# KiCad board ADHW.kicad_pcb (continued)
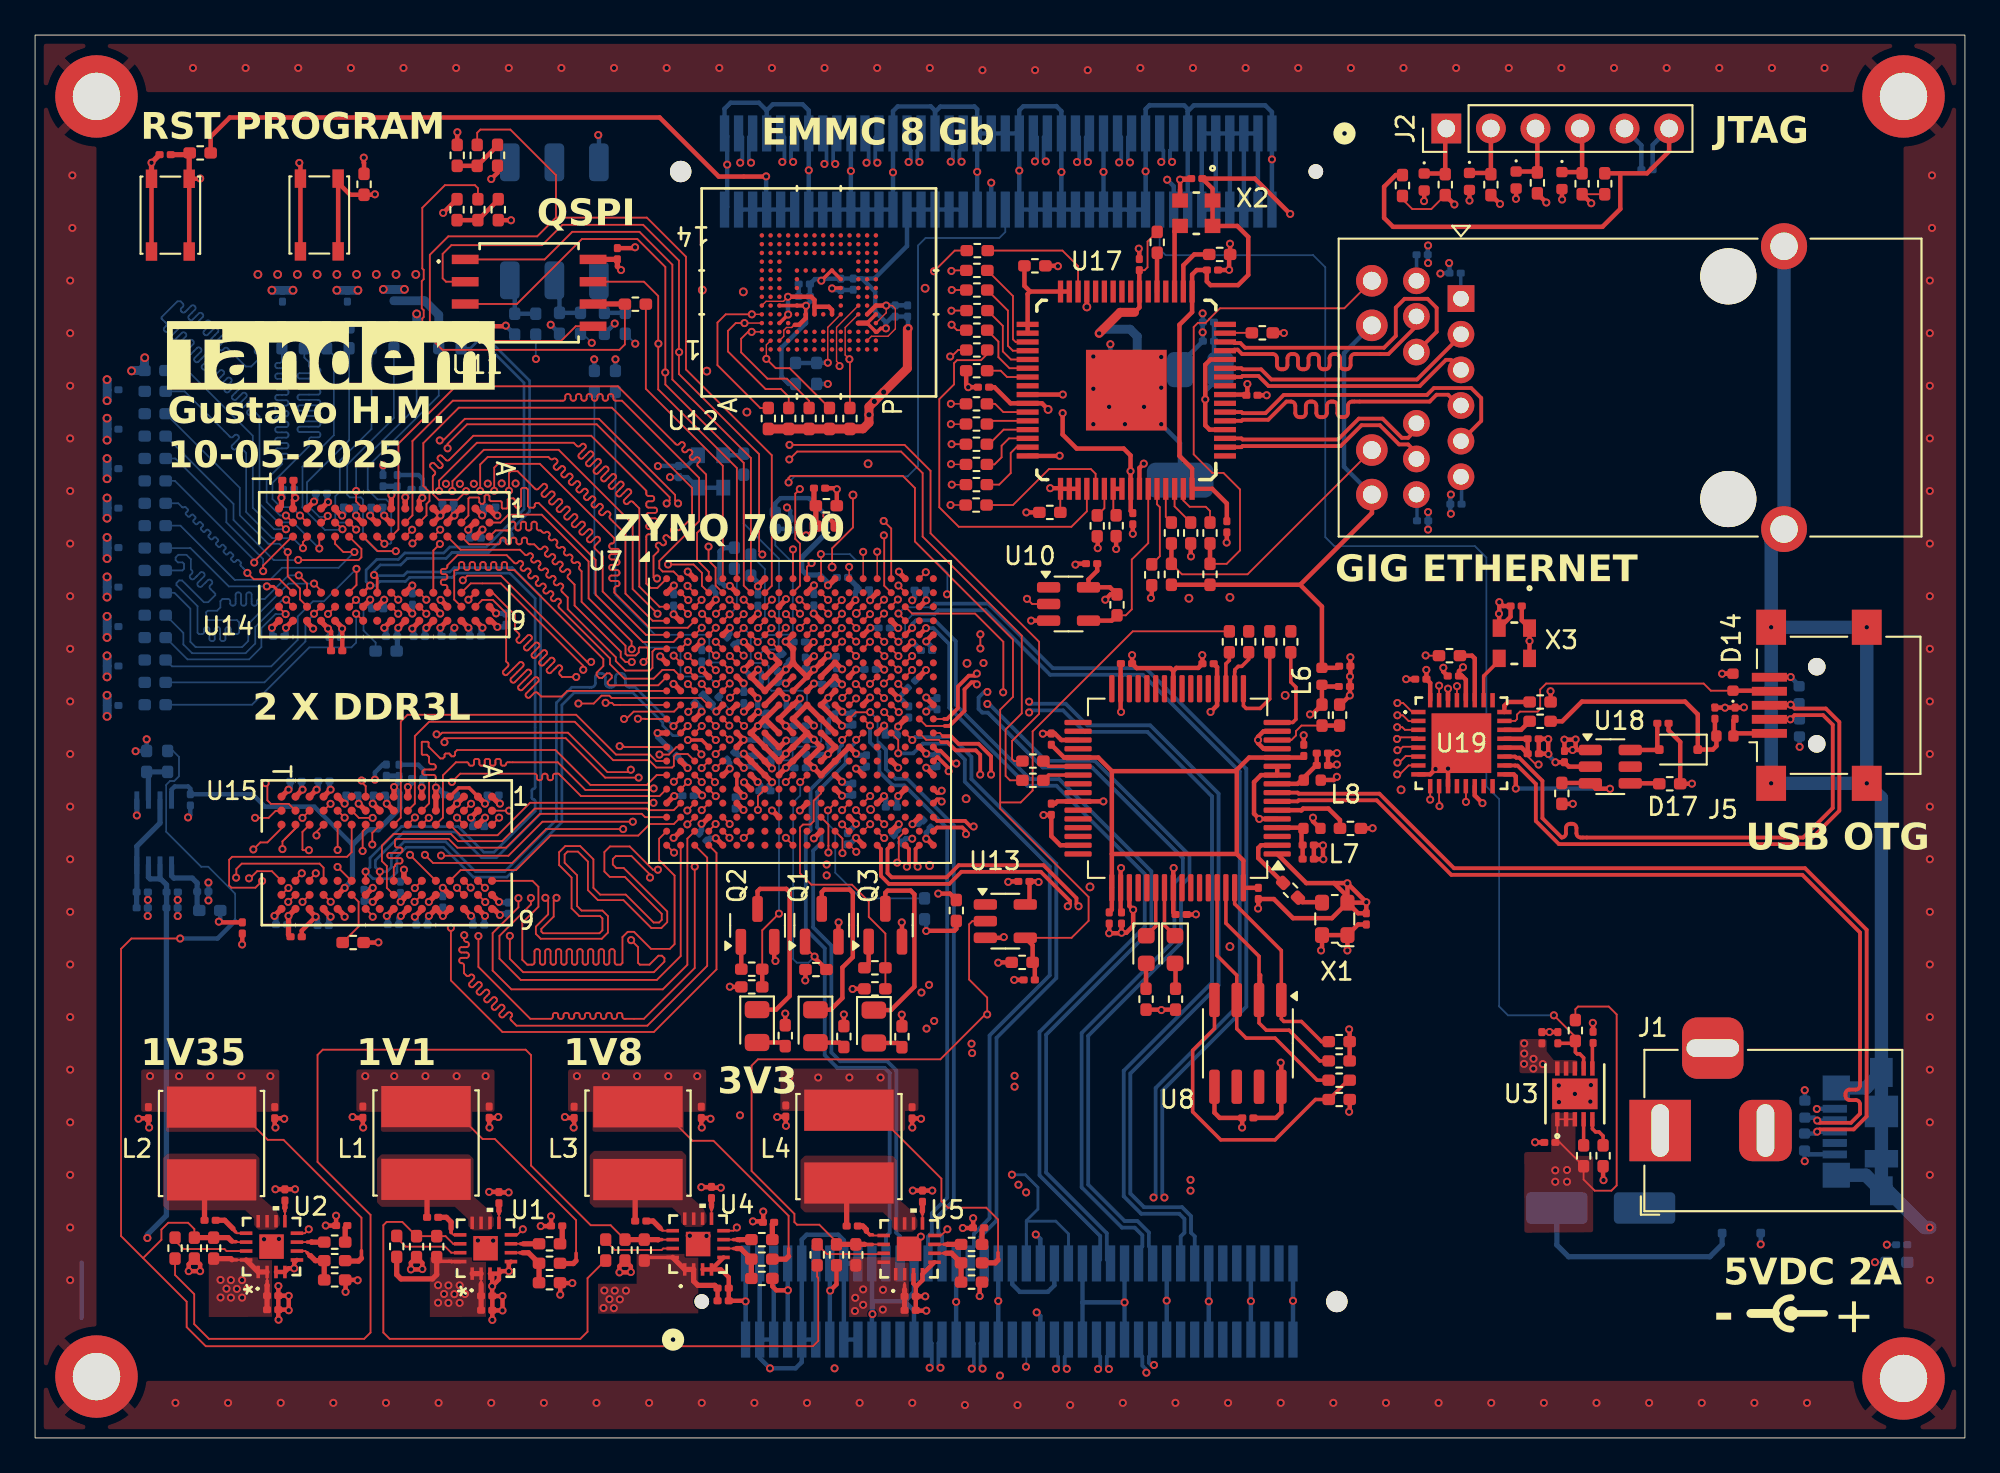
[diagram p0: board, top side]
## Placement (name value [footprint] x y rotation side) (continued)
R78  20k  [R_0402_1005Metric_Pad0.72x0.64mm_HandSolder]  40.8 49.77 270 bottom
R79  68k  [R_0402_1005Metric_Pad0.72x0.64mm_HandSolder]  42.96 58.13 270 top
R80  510  [R_0402_1005Metric_Pad0.72x0.64mm_HandSolder]  42.76 22.94 270 top
R81  68k  [R_0402_1005Metric_Pad0.72x0.64mm_HandSolder]  41.8 58.13 270 top
R82  68k  [R_0402_1005Metric_Pad0.72x0.64mm_HandSolder]  45.28 58.13 270 top
R83  12k  [R_0402_1005Metric_Pad0.72x0.64mm_HandSolder]  9.41 73.28 0 top
R84  12k  [R_0402_1005Metric_Pad0.72x0.64mm_HandSolder]  46.44 58.13 270 top
R85  12k  [R_0402_1005Metric_Pad0.72x0.64mm_HandSolder]  61.67 47.51 90 top
R86  22  [R_0402_1005Metric_Pad0.72x0.64mm_HandSolder]  34.22 64.65 180 top
R87  22  [R_0402_1005Metric_Pad0.72x0.64mm_HandSolder]  44.55 60.7 90 bottom
R88  22  [R_0402_1005Metric_Pad0.72x0.64mm_HandSolder]  40.39 55.53 90 bottom
R89  12k  [R_0402_1005Metric_Pad0.72x0.64mm_HandSolder]  43.34 60.7 90 bottom
R90  4.7k  [R_0402_1005Metric_Pad0.72x0.64mm_HandSolder]  56.26 27.12 180 top
R91  1k  [R_0402_1005Metric_Pad0.72x0.64mm_HandSolder]  50.7 30.17 270 bottom
R92  100k  [R_0402_1005Metric_Pad0.72x0.64mm_HandSolder]  47.87 25.61 180 top
R93  12k  [R_0402_1005Metric_Pad0.72x0.64mm_HandSolder]  47.87 26.81 180 top
R94  510  [R_0402_1005Metric_Pad0.72x0.64mm_HandSolder]  49.41 22.88 270 top
R95  4.7k  [R_0402_1005Metric_Pad0.72x0.64mm_HandSolder]  6.83 60.87 0 bottom
R96  100  [R_0402_1005Metric_Pad0.72x0.64mm_HandSolder]  24.28 62.74 90 bottom
R97  4.7k  [R_0402_1005Metric_Pad0.72x0.64mm_HandSolder]  21.75 62.76 270 bottom
R98  50  [R_0402_1005Metric_Pad0.72x0.64mm_HandSolder]  6.85 41.81 0 bottom
R99  50  [R_0402_1005Metric_Pad0.72x0.64mm_HandSolder]  19.17 62.74 270 bottom
R100  50  [R_0402_1005Metric_Pad0.72x0.64mm_HandSolder]  23.01 62.75 270 bottom
R101  50  [R_0402_1005Metric_Pad0.72x0.64mm_HandSolder]  20.45 62.74 270 bottom
R102  50  [R_0402_1005Metric_Pad0.72x0.64mm_HandSolder]  6.85 57.13 0 bottom
R103  50  [R_0402_1005Metric_Pad0.72x0.64mm_HandSolder]  16.62 62.74 270 bottom
R104  50  [R_0402_1005Metric_Pad0.72x0.64mm_HandSolder]  6.85 43.09 0 bottom
R105  50  [R_0402_1005Metric_Pad0.72x0.64mm_HandSolder]  6.85 52.02 0 bottom
R106  50  [R_0402_1005Metric_Pad0.72x0.64mm_HandSolder]  12.79 62.74 270 bottom
R107  50  [R_0402_1005Metric_Pad0.72x0.64mm_HandSolder]  6.85 49.47 0 bottom
R108  50  [R_0402_1005Metric_Pad0.72x0.64mm_HandSolder]  6.85 59.68 0 bottom
R109  50  [R_0402_1005Metric_Pad0.72x0.64mm_HandSolder]  17.9 62.74 270 bottom
R110  50  [R_0402_1005Metric_Pad0.72x0.64mm_HandSolder]  6.85 58.41 0 bottom
R111  50  [R_0402_1005Metric_Pad0.72x0.64mm_HandSolder]  15.34 62.74 270 bottom
R112  50  [R_0402_1005Metric_Pad0.72x0.64mm_HandSolder]  6.85 46.92 0 bottom
R113  50  [R_0402_1005Metric_Pad0.72x0.64mm_HandSolder]  14.07 62.74 270 bottom
R114  50  [R_0402_1005Metric_Pad0.72x0.64mm_HandSolder]  6.85 45.64 0 bottom
R115  50  [R_0402_1005Metric_Pad0.72x0.64mm_HandSolder]  6.85 55.85 0 bottom
R116  50  [R_0402_1005Metric_Pad0.72x0.64mm_HandSolder]  6.85 44.36 0 bottom
R117  50  [R_0402_1005Metric_Pad0.72x0.64mm_HandSolder]  6.85 53.3 0 bottom
R118  50  [R_0402_1005Metric_Pad0.72x0.64mm_HandSolder]  6.85 48.19 0 bottom
R119  50  [R_0402_1005Metric_Pad0.72x0.64mm_HandSolder]  6.85 54.58 0 bottom
R120  50  [R_0402_1005Metric_Pad0.72x0.64mm_HandSolder]  6.85 50.75 0 bottom
R121  100  [R_0402_1005Metric_Pad0.72x0.64mm_HandSolder]  33.08 60.25 270 bottom
R122  100  [R_0402_1005Metric_Pad0.72x0.64mm_HandSolder]  31.88 60.25 270 bottom
R123  240  [R_0402_1005Metric_Pad0.72x0.64mm_HandSolder]  20.01 44.87 0 bottom
R124  240  [R_0402_1005Metric_Pad0.72x0.64mm_HandSolder]  18.13 28.25 0 top
R137  22  [R_0402_1005Metric_Pad0.72x0.64mm_HandSolder]  53.64 53.2 0 top
R138  22  [R_0402_1005Metric_Pad0.72x0.64mm_HandSolder]  53.66 58.97 0 top
R139  22  [R_0402_1005Metric_Pad0.72x0.64mm_HandSolder]  53.66 57.82 0 top
R140  22  [R_0402_1005Metric_Pad0.72x0.64mm_HandSolder]  53.66 56.67 0 top
R141  22  [R_0402_1005Metric_Pad0.72x0.64mm_HandSolder]  53.66 55.52 0 top
R142  22  [R_0402_1005Metric_Pad0.72x0.64mm_HandSolder]  53.66 54.36 0 top
R143  R  [R_0402_1005Metric_Pad0.72x0.64mm_HandSolder]  56.99 66.84 180 top
R144  R  [R_0402_1005Metric_Pad0.72x0.64mm_HandSolder]  57.84 52.78 0 top
R145  R  [R_0402_1005Metric_Pad0.72x0.64mm_HandSolder]  61.62 52.02 90 top
R146  R  [R_0402_1005Metric_Pad0.72x0.64mm_HandSolder]  53.67 60.86 0 top
R147  R  [R_0402_1005Metric_Pad0.72x0.64mm_HandSolder]  60.54 52.01 90 top
R148  11k 1%  [R_0402_1005Metric_Pad0.72x0.64mm_HandSolder]  69.95 63.02 0 top
R149  2.2k  [R_0402_1005Metric_Pad0.72x0.64mm_HandSolder]  63.96 68.18 90 top
R151  22  [R_0402_1005Metric_Pad0.72x0.64mm_HandSolder]  67.52 67.49 0 top
R152  550  [R_0402_1005Metric_Pad0.72x0.64mm_HandSolder]  66.97 51.6 270 top
R153  2.2k  [R_0402_1005Metric_Pad0.72x0.64mm_HandSolder]  65.87 51.6 270 top
R154  550  [R_0402_1005Metric_Pad0.72x0.64mm_HandSolder]  64.77 51.6 270 top
R155  4.7k  [R_0402_1005Metric_Pad0.72x0.64mm_HandSolder]  66.97 49.25 270 top
R156  4.7k  [R_0402_1005Metric_Pad0.72x0.64mm_HandSolder]  64.77 49.25 270 top
R157  10k  [R_0402_1005Metric_Pad0.72x0.64mm_HandSolder]  85.79 40.87 0 top
R158  1k  [R_0402_1005Metric_Pad0.72x0.64mm_HandSolder]  80.62 44.61 180 top
R159  8.06k  [R_0402_1005Metric_Pad0.72x0.64mm_HandSolder]  85.79 41.97 0 top
R160  4.7k  [R_0402_1005Metric_Pad0.72x0.64mm_HandSolder]  87.02 36.75 270 top
R161  510  [R_0402_1005Metric_Pad0.72x0.64mm_HandSolder]  93.17 37.3 0 top
R162  50k  [R_0402_1005Metric_Pad0.72x0.64mm_HandSolder]  21.74 10.91 270 top
R163  50k  [R_0402_1005Metric_Pad0.72x0.64mm_HandSolder]  33.62 10.71 270 top
R164  50k  [R_0402_1005Metric_Pad0.72x0.64mm_HandSolder]  45.68 10.44 270 top
R165  50k  [R_0402_1005Metric_Pad0.72x0.64mm_HandSolder]  9.08 10.82 270 top
R166  2.2k  [R_0402_1005Metric_Pad0.72x0.64mm_HandSolder]  63.65 49.22 270 top
SW1  SW_Push  [SW_SPST_PTS810]  16.2 69.74 270 top
SW2  SW_DIP_x03  [SW_DIP_SPSTx03_Slide_6.7x9.18mm_W6.73mm_P2.54mm_LowProfile_JPin]  29.6 69.38 90 bottom
SW3  SW_Push  [SW_SPST_PTS810]  7.71 69.73 270 top
U1  BD9A300MUV-E2  [VQFN016V3030_ROM]  25.68 10.82 90 top
U2  BD9A300MUV-E2  [VQFN016V3030_ROM]  13.48 10.91 90 top
U3  LS1205EVD33  [DFN10_3x3_LTF]  87.77 19.62 90 top
U4  BD9A300MUV-E2  [VQFN016V3030_ROM]  37.79 11.05 90 top
U5  BD9A300MUV-E2  [VQFN016V3030_ROM]  49.82 10.78 90 top
U6  BD3539FVM-TR  [MSOP8_ROM]  6.79 34.52 270 bottom
U7  ~  [Xilinx_CLG400]  43.6 41.4 0 top
U8  93LC56B-I/SN  [SOIC-8_3.9x4.9mm_P1.27mm]  69.13 22.5 270 top
U9  FT2232HL  [LQFP-64_10x10mm_P0.5mm]  65.12 37.05 180 top
U10  74LVC1G07  [SOT-23-5]  58.91 47.56 0 top
U11  W25Q128JVSIQ TR  [SOIC_208MIL_WIN]  28.16 65.3 0 top
U12  IS21ES08GA-JCLI-TR  [FBGA153_ISI]  44.67 65.32 90 top
U13  74LVC1G07  [SOT-23-5]  55.3 29.47 0 top
U14  MT41K256M16TW-107:P  [FBGA96_8X14_MRN]  19.9 49.8 270 top
U15  MT41K256M16TW-107:P  [FBGA96_8X14_MRN]  20.05 33.37 270 top
U16  LT1963AxST-2.5  [SOT-223-3_TabPin2]  65.27 57.77 270 bottom
U17  DP83867IRPAPR  [PAP0064M_L]  62.2 59.75 180 top
U18  MIC2007YM6  [SOT-23-6]  89.79 38.28 0 top
U19  USB3320C-EZK-TR  [QFN32_5X5MC_MCH]  81.3 39.62 0 top
X1  ECS-2520MV-120-BN-TR  [Oscillator_SMD_ECS_2520MV-xxx-xx-4Pin_2.5x2.0mm]  74.08 29.6 180 top
X2  ECS-2520MV-250-CN-TR  [OSC_ECS-2520MV_ECS]  66.19 69.84 270 top
X3  ECS-2520MV-130-BN-TR  [SMD4_ECS-2520MV_ECS]  84.32 45.32 270 top
Y1  ECS-2520MV-333.3-BN-TR  [OSC_ECS-2520S25-250-FN-TR]  38.5 55.11 90 bottom

## Library data of the parts
C1-C65 C67-C200 = -: Description: Unpolarized capacitor; ki_fp_filters: C_*
D1 = -: Datasheet: https://www.smc-diodes.com/propdf/SS12-SS110%20N0229%20REV.C.pdf; Description: 80V 1A Schottky Diode, SMA; ki_fp_filters: D*SMA*
D2 D12 D13 = -: Description: Light emitting diode; Sim.Pins: 1=K 2=A; ki_fp_filters: LED* LED_SMD:* LED_THT:*
D3-D8 D14-D16 = -: Description: Zener diode; ki_fp_filters: TO-???* *_Diode_* *SingleDiode* D_*
D9 D17 = -: Datasheet: https://assets.nexperia.com/documents/data-sheet/PMEG1030EH_EJ.pdf; Description: 10V, 3A ultra low Vf MEGA Schottky barrier rectifier, SOD-323F; ki_fp_filters: D*SOD?323F*
D10 D11 = -: Description: Light emitting diode; ki_fp_filters: LED* LED_SMD:* LED_THT:*
H1-H4 = -: Description: Mounting Hole with connection; ki_fp_filters: MountingHole*Pad*
J1 = -: Description: DC Barrel Jack with a mounting pin; ki_fp_filters: BarrelJack*
J2 = -: Description: Generic connector, single row, 01x06, script generated; ki_fp_filters: Connector*:*_1x??_*
J3 = -: Description: USB Micro Type B connector; ki_fp_filters: USB*
J4 = -: Datasheet: https://media.digikey.com/pdf/Data%20Sheets/Pulse%20PDFs/JK%20Series.pdf; Description: 1 Port RJ45 Magjack Connector Through Hole 10/100/1000 Base-T, AutoMDIX; ki_fp_filters: RJ45*Pulse*JK0654219NL*
J5 = -: Description: USB mini/micro connector; ki_fp_filters: USB*
J6 J7 = -: ki_fp_filters: CONN_10144518_AMP
L1-L4 = -: MANUFACTURER: BOURNS; STANDARD: Manufacturer Recommendations
L5-L9 = -: Description: Inductor with ferrite core; ki_fp_filters: Choke_* *Coil* Inductor_* L_*
Q1-Q3 = -: Datasheet: https://toshiba.semicon-storage.com/info/docget.jsp?did=29712&prodName=T2N7002AK; Description: 60V Vds, 0.2A Id, N-Channel MOSFET, SOT-23; ki_fp_filters: SOT?23*
R1-R124 R137-R149 R151-R166 = -: Description: Resistor; ki_fp_filters: R_*
SW1 SW3 = -: Description: Push button switch, generic, two pins
SW2 = -: Description: 3x DIP Switch, Single Pole Single Throw (SPST) switch, small symbol; ki_fp_filters: SW?DIP?x3*
U1 U2 U4 U5 = -: ki_fp_filters: VQFN016V3030_ROM VQFN016V3030_ROM-M VQFN016V3030_ROM-L
U3 = -: ki_fp_filters: DFN10_3x3_LTF DFN10_3x3_LTF-M DFN10_3x3_LTF-L
U6 = -: ki_fp_filters: MSOP8_ROM MSOP8_ROM-M MSOP8_ROM-L
U8 = -: Datasheet: http://ww1.microchip.com/downloads/en/DeviceDoc/20001749K.pdf; Description: Serial EEPROM, 93 Series, 2.5V, DIP-8/SOIC-8; ki_fp_filters: DIP*W7.62mm* SOIC*3.9x4.9mm*
U9 = -: Datasheet: https://www.ftdichip.com/Support/Documents/DataSheets/ICs/DS_FT2232H.pdf; Description: Hi Speed Double Channel USB UART/FIFO, LQFP-64; ki_fp_filters: LQFP*10x10mm*P0.5mm*
U10 U13 = -: Datasheet: https://www.ti.com/lit/ds/symlink/sn74lvc1g07.pdf; Description: Single Buffer Gate, Open Drain, Low-Voltage CMOS; ki_fp_filters: SOT?23* Texas?R-PDSO-G5?DCK* Texas?R-PDSO-N5?DRL* Texas?X2SON*0.8x0.8mm*P0.48mm*
U11 = -: ki_fp_filters: SOIC_208MIL_WIN SOIC_208MIL_WIN-M SOIC_208MIL_WIN-L
U12 = -: ki_fp_filters: FBGA153_ISI FBGA153_ISI-M FBGA153_ISI-L
U14 U15 = -: ki_fp_filters: FBGA96_8X14_MRN
U16 = -: Datasheet: https://www.analog.com/media/en/technical-documentation/data-sheets/1963aff.pdf; Description: 2.5V, 1.5A, Low Noise, Fast Transient Response LDO Regulator, SOT-223; ki_fp_filters: SOT*223*
U17 = -: Datasheet: https://www.ti.com/lit/gpn/dp83867ir; ki_fp_filters: PAP0064M_N PAP0064M_M PAP0064M_L
U18 = -: Datasheet: https://ww1.microchip.com/downloads/aemDocuments/documents/APID/ProductDocuments/DataSheets/MIC20XX-Fixed-and-Adjustable-Current-Limiting-Power-Distribution-Switches-DS20006486B.pdf; Description: 5.5V, 2.1A, Adjustable Current Limiting Power Distribution Switch, SOT-23-6; ki_fp_filters: SOT?23*
U19 = -: ki_fp_filters: QFN32_5X5MC_MCH QFN32_5X5MC_MCH-M QFN32_5X5MC_MCH-L
X1 = -: Datasheet: https://www.ecsxtal.com/store/pdf/ECS-2520MV.pdf; Description: HCMOS Crystal Clock Oscillator, 2.5x2.0 mm SMD; ki_fp_filters: Oscillator*SMD*ECS*2520MV*2.5x2.0mm*
X2 = -: ki_fp_filters: OSC_ECS-2520MV_ECS
X3 = -: ki_fp_filters: SMD4_ECS-2520MV_ECS SMD4_ECS-2520MV_ECS-M SMD4_ECS-2520MV_ECS-L

## Footprints (pads in the part's own frame, mm; a bottom-side part is the same pattern mirrored in y, then rotated)
BarrelJack_Horizontal
  rect 3.5x3.5 hole 1x3: 1(0,0)
  rrect 3x3.5 hole 1x3: 2(-6,0)
  rrect 3.5x3.5 hole 3x1: 3(-3,-4.7)
C_0201_0603Metric
  rrect 0.318x0.36 smd: (-0.345,0) (0.345,0)
  rrect 0.46x0.4 smd: 1(-0.32,0) 2(0.32,0)
CONN_10144518_AMP
  round 0.838 hole 0.838 unplated: (-2.5,-2.171)
  round 1.219 hole 1.219 unplated: (33.7,-2.171)
  rect 0.533x2.057 smd: 1(0,0) 2(0,-4.343) 3(0.8,0) 4(0.8,-4.343) 5(1.6,0) 6(1.6,-4.343) 7(2.4,0) 8(2.4,-4.343) 9(3.2,0) 10(3.2,-4.343) 11(4,0) 12(4,-4.343) 13(4.8,0) 14(4.8,-4.343) 15(5.6,0) 16(5.6,-4.343) 17(6.4,0) 18(6.4,-4.343) 19(7.2,0) 20(7.2,-4.343) 21(8,0) 22(8,-4.343) 23(8.8,0) 24(8.8,-4.343) 25(9.6,0) 26(9.6,-4.343) 27(10.4,0) 28(10.4,-4.343) 29(11.2,0) 30(11.2,-4.343) 31(12,0) 32(12,-4.343) 33(12.8,0) 34(12.8,-4.343) 35(13.6,0) 36(13.6,-4.343) 37(14.4,0) 38(14.4,-4.343) 39(15.2,0) 40(15.2,-4.343) 41(16,0) 42(16,-4.343) 43(16.8,0) 44(16.8,-4.343) 45(17.6,0) 46(17.6,-4.343) 47(18.4,0) 48(18.4,-4.343) 49(19.2,0) 50(19.2,-4.343) 51(20,0) 52(20,-4.343) 53(20.8,0) 54(20.8,-4.343) 55(21.6,0) 56(21.6,-4.343) 57(22.4,0) 58(22.4,-4.343) 59(23.2,0) 60(23.2,-4.343) 61(24,0) 62(24,-4.343) 63(24.8,0) 64(24.8,-4.343) 65(25.6,0) 66(25.6,-4.343) 67(26.4,0) 68(26.4,-4.343) 69(27.2,0) 70(27.2,-4.343) 71(28,0) 72(28,-4.343) 73(28.8,0) 74(28.8,-4.343) 75(29.6,0) 76(29.6,-4.343) 77(30.4,0) 78(30.4,-4.343) 79(31.2,0) 80(31.2,-4.343)
D_0402_1005Metric
  rrect 0.59x0.64 smd: 1(-0.485,0) 2(0.485,0)
D_0603_1608Metric
  rrect 0.875x0.95 smd: 1(-0.787,0) 2(0.787,0)
D_SMA_Handsoldering
  rrect 3.5x1.8 smd: 1(-2.5,0) 2(2.5,0)
D_SOD-323F
  rrect 0.5x0.5 smd: 1(-1.1,0) 2(1.1,0)
DFN10_3x3_LTF
  rect 0.813x0.254 smd: 1(-1.448,1) 2(-1.448,0.5) 3(-1.448,0) 4(-1.448,-0.5) 5(-1.448,-1) 6(1.448,-1) 7(1.448,-0.5) 8(1.448,0) 9(1.448,0.5) 10(1.448,1)
  rect 1.753x2.591 smd: 11(0,0)
FBGA96_8X14_MRN
  round 0.457 smd: A1(-3.2,6) A2(-2.4,6) A3(-1.6,6) A7(1.6,6) A8(2.4,6) A9(3.2,6) B1(-3.2,5.2) B2(-2.4,5.2) B3(-1.6,5.2) B7(1.6,5.2) B8(2.4,5.2) B9(3.2,5.2) C1(-3.2,4.4) C2(-2.4,4.4) C3(-1.6,4.4) C7(1.6,4.4) C8(2.4,4.4) C9(3.2,4.4) D1(-3.2,3.6) D2(-2.4,3.6) D3(-1.6,3.6) D7(1.6,3.6) D8(2.4,3.6) D9(3.2,3.6) E1(-3.2,2.8) E2(-2.4,2.8) E3(-1.6,2.8) E7(1.6,2.8) E8(2.4,2.8) E9(3.2,2.8) F1(-3.2,2) F2(-2.4,2) F3(-1.6,2) F7(1.6,2) F8(2.4,2) F9(3.2,2) G1(-3.2,1.2) G2(-2.4,1.2) G3(-1.6,1.2) G7(1.6,1.2) G8(2.4,1.2) G9(3.2,1.2) H1(-3.2,0.4) H2(-2.4,0.4) H3(-1.6,0.4) H7(1.6,0.4) H8(2.4,0.4) H9(3.2,0.4) J1(-3.2,-0.4) J2(-2.4,-0.4) J3(-1.6,-0.4) J7(1.6,-0.4) J8(2.4,-0.4) J9(3.2,-0.4) K1(-3.2,-1.2) K2(-2.4,-1.2) K3(-1.6,-1.2) K7(1.6,-1.2) K8(2.4,-1.2) K9(3.2,-1.2) L1(-3.2,-2) L2(-2.4,-2) L3(-1.6,-2) L7(1.6,-2) L8(2.4,-2) L9(3.2,-2) M1(-3.2,-2.8) M2(-2.4,-2.8) M3(-1.6,-2.8) M7(1.6,-2.8) M8(2.4,-2.8) M9(3.2,-2.8) N1(-3.2,-3.6) N2(-2.4,-3.6) N3(-1.6,-3.6) N7(1.6,-3.6) N8(2.4,-3.6) N9(3.2,-3.6) P1(-3.2,-4.4) P2(-2.4,-4.4) P3(-1.6,-4.4) P7(1.6,-4.4) P8(2.4,-4.4) P9(3.2,-4.4) R1(-3.2,-5.2) R2(-2.4,-5.2) R3(-1.6,-5.2) R7(1.6,-5.2) R8(2.4,-5.2) R9(3.2,-5.2) T1(-3.2,-6) T2(-2.4,-6) T3(-1.6,-6) T7(1.6,-6) T8(2.4,-6) T9(3.2,-6)
FBGA153_ISI
  round 0.254 smd: A1(-3.25,3.25) A2(-2.75,3.25) A3(-2.25,3.25) A4(-1.75,3.25) A5(-1.25,3.25) A6(-0.75,3.25) A7(-0.25,3.25) A8(0.25,3.25) A9(0.75,3.25) A10(1.25,3.25) A11(1.75,3.25) A12(2.25,3.25) A13(2.75,3.25) A14(3.25,3.25) B1(-3.25,2.75) B2(-2.75,2.75) B3(-2.25,2.75) B4(-1.75,2.75) B5(-1.25,2.75) B6(-0.75,2.75) B7(-0.25,2.75) B8(0.25,2.75) B9(0.75,2.75) B10(1.25,2.75) B11(1.75,2.75) B12(2.25,2.75) B13(2.75,2.75) B14(3.25,2.75) C1(-3.25,2.25) C2(-2.75,2.25) C3(-2.25,2.25) C4(-1.75,2.25) C5(-1.25,2.25) C6(-0.75,2.25) C7(-0.25,2.25) C8(0.25,2.25) C9(0.75,2.25) C10(1.25,2.25) C11(1.75,2.25) C12(2.25,2.25) C13(2.75,2.25) C14(3.25,2.25) D1(-3.25,1.75) D2(-2.75,1.75) D3(-2.25,1.75) D4(-1.75,1.75) D12(2.25,1.75) D13(2.75,1.75) D14(3.25,1.75) E1(-3.25,1.25) E2(-2.75,1.25) E3(-2.25,1.25) E5(-1.25,1.25) E6(-0.75,1.25) E7(-0.25,1.25) E8(0.25,1.25) E9(0.75,1.25) E10(1.25,1.25) E12(2.25,1.25) E13(2.75,1.25) E14(3.25,1.25) F1(-3.25,0.75) F2(-2.75,0.75) F3(-2.25,0.75) F5(-1.25,0.75) F10(1.25,0.75) F12(2.25,0.75) F13(2.75,0.75) F14(3.25,0.75) G1(-3.25,0.25) G2(-2.75,0.25) G3(-2.25,0.25) G5(-1.25,0.25) G10(1.25,0.25) G12(2.25,0.25) G13(2.75,0.25) G14(3.25,0.25) H1(-3.25,-0.25) H2(-2.75,-0.25) H3(-2.25,-0.25) H5(-1.25,-0.25) H10(1.25,-0.25) H12(2.25,-0.25) H13(2.75,-0.25) H14(3.25,-0.25) J1(-3.25,-0.75) J2(-2.75,-0.75) J3(-2.25,-0.75) J5(-1.25,-0.75) J10(1.25,-0.75) J12(2.25,-0.75) J13(2.75,-0.75) J14(3.25,-0.75) K1(-3.25,-1.25) K2(-2.75,-1.25) K3(-2.25,-1.25) K5(-1.25,-1.25) K6(-0.75,-1.25) K7(-0.25,-1.25) K8(0.25,-1.25) K9(0.75,-1.25) K10(1.25,-1.25) K12(2.25,-1.25) K13(2.75,-1.25) K14(3.25,-1.25) L1(-3.25,-1.75) L2(-2.75,-1.75) L3(-2.25,-1.75) L12(2.25,-1.75) L13(2.75,-1.75) L14(3.25,-1.75) M1(-3.25,-2.25) M2(-2.75,-2.25) M3(-2.25,-2.25) M4(-1.75,-2.25) M5(-1.25,-2.25) M6(-0.75,-2.25) M7(-0.25,-2.25) M8(0.25,-2.25) M9(0.75,-2.25) M10(1.25,-2.25) M11(1.75,-2.25) M12(2.25,-2.25) M13(2.75,-2.25) M14(3.25,-2.25) N1(-3.25,-2.75) N2(-2.75,-2.75) N3(-2.25,-2.75) N4(-1.75,-2.75) N5(-1.25,-2.75) N6(-0.75,-2.75) N7(-0.25,-2.75) N8(0.25,-2.75) N9(0.75,-2.75) N10(1.25,-2.75) N11(1.75,-2.75) N12(2.25,-2.75) N13(2.75,-2.75) N14(3.25,-2.75) P1(-3.25,-3.25) P2(-2.75,-3.25) P3(-2.25,-3.25) P4(-1.75,-3.25) P5(-1.25,-3.25) P6(-0.75,-3.25) P7(-0.25,-3.25) P8(0.25,-3.25) P9(0.75,-3.25) P10(1.25,-3.25) P11(1.75,-3.25) P12(2.25,-3.25) P13(2.75,-3.25) P14(3.25,-3.25)
IND_SRN6045TA-1R5Y
  rect 2.35x5.1 smd: 1(-2.075,0) 2(2.075,0)
L_0402_1005Metric
  rrect 0.59x0.64 smd: 1(-0.485,0) 2(0.485,0)
LED_0805_2012Metric
  rrect 0.975x1.4 smd: 1(-0.938,0) 2(0.938,0)
LQFP-64_10x10mm_P0.5mm
  rrect 1.55x0.3 smd: 1(-5.675,3.75) 2(-5.675,3.25) 3(-5.675,2.75) 4(-5.675,2.25) 5(-5.675,1.75) 6(-5.675,1.25) 7(-5.675,0.75) 8(-5.675,0.25) 9(-5.675,-0.25) 10(-5.675,-0.75) 11(-5.675,-1.25) 12(-5.675,-1.75) 13(-5.675,-2.25) 14(-5.675,-2.75) 15(-5.675,-3.25) 16(-5.675,-3.75) 33(5.675,-3.75) 34(5.675,-3.25) 35(5.675,-2.75) 36(5.675,-2.25) 37(5.675,-1.75) 38(5.675,-1.25) 39(5.675,-0.75) 40(5.675,-0.25) 41(5.675,0.25) 42(5.675,0.75) 43(5.675,1.25) 44(5.675,1.75) 45(5.675,2.25) 46(5.675,2.75) 47(5.675,3.25) 48(5.675,3.75)
  rrect 0.3x1.55 smd: 17(-3.75,-5.675) 18(-3.25,-5.675) 19(-2.75,-5.675) 20(-2.25,-5.675) 21(-1.75,-5.675) 22(-1.25,-5.675) 23(-0.75,-5.675) 24(-0.25,-5.675) 25(0.25,-5.675) 26(0.75,-5.675) 27(1.25,-5.675) 28(1.75,-5.675) 29(2.25,-5.675) 30(2.75,-5.675) 31(3.25,-5.675) 32(3.75,-5.675) 49(3.75,5.675) 50(3.25,5.675) 51(2.75,5.675) 52(2.25,5.675) 53(1.75,5.675) 54(1.25,5.675) 55(0.75,5.675) 56(0.25,5.675) 57(-0.25,5.675) 58(-0.75,5.675) 59(-1.25,5.675) 60(-1.75,5.675) 61(-2.25,5.675) 62(-2.75,5.675) 63(-3.25,5.675) 64(-3.75,5.675)
MountingHole_2.7mm_M2.5_DIN965_Pad
  round 4.7 hole 2.7: 1(0,0)
MSOP8_ROM
  rect 0.991x0.279 smd: 1(-1.854,0.991) 2(-1.854,0.33) 3(-1.854,-0.33) 4(-1.854,-0.991) 5(1.854,-0.991) 6(1.854,-0.33) 7(1.854,0.33) 8(1.854,0.991)
OSC_ECS-2520MV_ECS
  rect 0.813x0.889 smd: 1(-0.725,0.925) 2(-0.725,-0.925) 3(0.725,-0.925) 4(0.725,0.925)
OSC_ECS-2520S25-250-FN-TR
  rect 0.9x0.8 smd: 1(-0.925,-0.725) 2(0.925,-0.725) 3(0.925,0.725) 4(-0.925,0.725)
Oscillator_SMD_ECS_2520MV-xxx-xx-4Pin_2.5x2.0mm
  rrect 0.8x0.9 smd: 1(-0.725,0.925) 2(-0.725,-0.925) 3(0.725,-0.925) 4(0.725,0.925)
PAP0064M_L
  rect 1.25x0.3 smd: 1(-5.625,3.75) 2(-5.625,3.25) 3(-5.625,2.75) 4(-5.625,2.25) 5(-5.625,1.75) 6(-5.625,1.25) 7(-5.625,0.75) 8(-5.625,0.25) 9(-5.625,-0.25) 10(-5.625,-0.75) 11(-5.625,-1.25) 12(-5.625,-1.75) 13(-5.625,-2.25) 14(-5.625,-2.75) 15(-5.625,-3.25) 16(-5.625,-3.75) 33(5.625,-3.75) 34(5.625,-3.25) 35(5.625,-2.75) 36(5.625,-2.25) 37(5.625,-1.75) 38(5.625,-1.25) 39(5.625,-0.75) 40(5.625,-0.25) 41(5.625,0.25) 42(5.625,0.75) 43(5.625,1.25) 44(5.625,1.75) 45(5.625,2.25) 46(5.625,2.75) 47(5.625,3.25) 48(5.625,3.75)
  rect 0.3x1.25 smd: 17(-3.75,-5.625) 18(-3.25,-5.625) 19(-2.75,-5.625) 20(-2.25,-5.625) 21(-1.75,-5.625) 22(-1.25,-5.625) 23(-0.75,-5.625) 24(-0.25,-5.625) 25(0.25,-5.625) 26(0.75,-5.625) 27(1.25,-5.625) 28(1.75,-5.625) 29(2.25,-5.625) 30(2.75,-5.625) 31(3.25,-5.625) 32(3.75,-5.625) 49(3.75,5.625) 50(3.25,5.625) 51(2.75,5.625) 52(2.25,5.625) 53(1.75,5.625) 54(1.25,5.625) 55(0.75,5.625) 56(0.25,5.625) 57(-0.25,5.625) 58(-0.75,5.625) 59(-1.25,5.625) 60(-1.75,5.625) 61(-2.25,5.625) 62(-2.75,5.625) 63(-3.25,5.625) 64(-3.75,5.625)
  rect 4.6x4.6 smd: 65(0,0)
PinHeader_1x06_P2.54mm_Vertical
  rect 1.7x1.7 hole 1: 1(0,0)
  oval 1.7x1.7 hole 1: 2(0,-2.54) 3(0,-5.08) 4(0,-7.62) 5(0,-10.16) 6(0,-12.7)
QFN32_5X5MC_MCH
  rect 0.813x0.254 smd: 1(-2.451,1.778) 2(-2.451,1.27) 3(-2.451,0.762) 4(-2.451,0.254) 5(-2.451,-0.254) 6(-2.451,-0.762) 7(-2.451,-1.27) 8(-2.451,-1.778) 17(2.451,-1.778) 18(2.451,-1.27) 19(2.451,-0.762) 20(2.451,-0.254) 21(2.451,0.254) 22(2.451,0.762) 23(2.451,1.27) 24(2.451,1.778)
  rect 0.254x0.813 smd: 9(-1.778,-2.451) 10(-1.27,-2.451) 11(-0.762,-2.451) 12(-0.254,-2.451) 13(0.254,-2.451) 14(0.762,-2.451) 15(1.27,-2.451) 16(1.778,-2.451) 25(1.778,2.451) 26(1.27,2.451) 27(0.762,2.451) 28(0.254,2.451) 29(-0.254,2.451) 30(-0.762,2.451) 31(-1.27,2.451) 32(-1.778,2.451)
  rect 3.404x3.404 smd: 33(0,0)
R_0402_1005Metric_Pad0.72x0.64mm_HandSolder
  rrect 0.715x0.64 smd: 1(-0.598,0) 2(0.598,0)
RJ45_Pulse_JK0654219NL_Horizontal
  round 3.2 hole 3.2 unplated: (15.24,1.27) (15.24,-11.43)
  rect 1.524x1.524 hole 0.89: 1(0,0)
  round 1.524 hole 0.89: 2(0,-2.032) 3(0,-4.064) 4(0,-6.096) 5(0,-8.128) 6(0,-10.16) 7(-2.54,1.016) 8(-2.54,-1.016) 9(-2.54,-3.048) 10(-2.54,-7.112) 11(-2.54,-9.144) 12(-2.54,-11.176)
  round 1.8 hole 1.025: 13(-5.08,1.016) 14(-5.08,-1.524) 15(-5.08,-8.636) 16(-5.08,-11.176)
  round 2.63 hole 1.57: SH(18.415,2.985)
  round 2.61 hole 1.57: SH(18.415,-13.145)
SMD4_ECS-2520MV_ECS
  rect 0.991x0.737 smd: 1(-0.864,0.865) 2(-0.864,-0.865) 3(0.864,-0.865) 4(0.864,0.865)
SOIC-8_3.9x4.9mm_P1.27mm
  rrect 1.95x0.6 smd: 1(-2.475,1.905) 2(-2.475,0.635) 3(-2.475,-0.635) 4(-2.475,-1.905) 5(2.475,-1.905) 6(2.475,-0.635) 7(2.475,0.635) 8(2.475,1.905)
SOIC_208MIL_WIN
  rect 1.524x0.533 smd: 1(-3.645,1.905) 2(-3.645,0.635) 3(-3.645,-0.635) 4(-3.645,-1.905) 5(3.645,-1.905) 6(3.645,-0.635) 7(3.645,0.635) 8(3.645,1.905)
SOT-23
  rrect 1.475x0.6 smd: 1(-0.938,0.95) 2(-0.938,-0.95) 3(0.938,0)
SOT-23-5
  rrect 1.325x0.6 smd: 1(-1.137,0.95) 2(-1.137,0) 3(-1.137,-0.95) 4(1.137,-0.95) 5(1.137,0.95)
SOT-23-6
  rrect 1.325x0.6 smd: 1(-1.137,0.95) 2(-1.137,0) 3(-1.137,-0.95) 4(1.137,-0.95) 5(1.137,0) 6(1.137,0.95)
SOT-223-3_TabPin2
  rrect 2x1.5 smd: 1(-3.15,2.3) 2(-3.15,0) 3(-3.15,-2.3)
  rrect 2x3.8 smd: 2(3.15,0)
SW_DIP_SPSTx03_Slide_6.7x9.18mm_W6.73mm_P2.54mm_LowProfile_JPin
  rrect 2.16x1.12 smd: 1(-3.365,2.54) 2(-3.365,0) 3(-3.365,-2.54) 4(3.365,-2.54) 5(3.365,0) 6(3.365,2.54)
SW_SPST_PTS810
  rect 1.05x0.65 smd: 1(-2.075,1.075) 1(2.075,1.075) 2(-2.075,-1.075) 2(2.075,-1.075)
USB_Micro-B_Molex_47346-0001
  rect 0.45x1.38 smd: 1(-1.3,1.46) 2(-0.65,1.46) 3(0,1.46) 4(0.65,1.46) 5(1.3,1.46)
  rect 1.65x1.3 smd: 6(-3.375,-1.2) 6(3.375,-1.2)
  rect 1.425x1.55 smd: 6(-2.487,1.375) 6(2.487,1.375)
  rect 1.8x1.9 smd: 6(-1.15,-1.2)
  rect 1x1.9 smd: 6(1.55,-1.2)
USB_Mini-B_Lumberg_2486_01_Horizontal
  round 1 hole 1 unplated: (-2.2,0) (2.2,0)
  rect 0.5x2 smd: 1(-1.6,2.7) 2(-0.8,2.7) 3(0,2.7) 4(0.8,2.7) 5(1.6,2.7)
  rect 2x1.7 smd: 6(-4.45,2.6) 6(-4.45,-2.85) 6(4.45,2.6) 6(4.45,-2.85)
VQFN016V3030_ROM
  rect 0.711x0.203 smd: 1(-1.448,0.762) 2(-1.448,0.254) 3(-1.448,-0.254) 4(-1.448,-0.762) 9(1.448,-0.762) 10(1.448,-0.254) 11(1.448,0.254) 12(1.448,0.762)
  rect 0.203x0.711 smd: 5(-0.762,-1.448) 6(-0.254,-1.448) 7(0.254,-1.448) 8(0.762,-1.448) 13(0.762,1.448) 14(0.254,1.448) 15(-0.254,1.448) 16(-0.762,1.448)
  rect 1.397x1.397 smd: 17(0,0)
Xilinx_CLG400
  round 0.4 smd: A1(-7.6,7.6) A2(-6.8,7.6) A3(-6,7.6) A4(-5.2,7.6) A5(-4.4,7.6) A6(-3.6,7.6) A7(-2.8,7.6) A8(-2,7.6) A9(-1.2,7.6) A10(-0.4,7.6) A11(0.4,7.6) A12(1.2,7.6) A13(2,7.6) A14(2.8,7.6) A15(3.6,7.6) A16(4.4,7.6) A17(5.2,7.6) A18(6,7.6) A19(6.8,7.6) A20(7.6,7.6) B1(-7.6,6.8) B2(-6.8,6.8) B3(-6,6.8) B4(-5.2,6.8) B5(-4.4,6.8) B6(-3.6,6.8) B7(-2.8,6.8) B8(-2,6.8) B9(-1.2,6.8) B10(-0.4,6.8) B11(0.4,6.8) B12(1.2,6.8) B13(2,6.8) B14(2.8,6.8) B15(3.6,6.8) B16(4.4,6.8) B17(5.2,6.8) B18(6,6.8) B19(6.8,6.8) B20(7.6,6.8) C1(-7.6,6) C2(-6.8,6) C3(-6,6) C4(-5.2,6) C5(-4.4,6) C6(-3.6,6) C7(-2.8,6) C8(-2,6) C9(-1.2,6) C10(-0.4,6) C11(0.4,6) C12(1.2,6) C13(2,6) C14(2.8,6) C15(3.6,6) C16(4.4,6) C17(5.2,6) C18(6,6) C19(6.8,6) C20(7.6,6) D1(-7.6,5.2) D2(-6.8,5.2) D3(-6,5.2) D4(-5.2,5.2) D5(-4.4,5.2) D6(-3.6,5.2) D7(-2.8,5.2) D8(-2,5.2) D9(-1.2,5.2) D10(-0.4,5.2) D11(0.4,5.2) D12(1.2,5.2) D13(2,5.2) D14(2.8,5.2) D15(3.6,5.2) D16(4.4,5.2) D17(5.2,5.2) D18(6,5.2) D19(6.8,5.2) D20(7.6,5.2) E1(-7.6,4.4) E2(-6.8,4.4) E3(-6,4.4) E4(-5.2,4.4) E5(-4.4,4.4) E6(-3.6,4.4) E7(-2.8,4.4) E8(-2,4.4) E9(-1.2,4.4) E10(-0.4,4.4) E11(0.4,4.4) E12(1.2,4.4) E13(2,4.4) E14(2.8,4.4) E15(3.6,4.4) E16(4.4,4.4) E17(5.2,4.4) E18(6,4.4) E19(6.8,4.4) E20(7.6,4.4) F1(-7.6,3.6) F2(-6.8,3.6) F3(-6,3.6) F4(-5.2,3.6) F5(-4.4,3.6) F6(-3.6,3.6) F7(-2.8,3.6) F8(-2,3.6) F9(-1.2,3.6) F10(-0.4,3.6) F11(0.4,3.6) F12(1.2,3.6) F13(2,3.6) F14(2.8,3.6) F15(3.6,3.6) F16(4.4,3.6) F17(5.2,3.6) F18(6,3.6) F19(6.8,3.6) F20(7.6,3.6) G1(-7.6,2.8) G2(-6.8,2.8) G3(-6,2.8) G4(-5.2,2.8) G5(-4.4,2.8) G6(-3.6,2.8) G7(-2.8,2.8) G8(-2,2.8) G9(-1.2,2.8) G10(-0.4,2.8) G11(0.4,2.8) G12(1.2,2.8) G13(2,2.8) G14(2.8,2.8) G15(3.6,2.8) G16(4.4,2.8) G17(5.2,2.8) G18(6,2.8) G19(6.8,2.8) G20(7.6,2.8) H1(-7.6,2) H2(-6.8,2) H3(-6,2) H4(-5.2,2) H5(-4.4,2) H6(-3.6,2) H7(-2.8,2) H8(-2,2) H9(-1.2,2) H10(-0.4,2) H11(0.4,2) H12(1.2,2) H13(2,2) H14(2.8,2) H15(3.6,2) H16(4.4,2) H17(5.2,2) H18(6,2) H19(6.8,2) H20(7.6,2) J1(-7.6,1.2) J2(-6.8,1.2) J3(-6,1.2) J4(-5.2,1.2) J5(-4.4,1.2) J6(-3.6,1.2) J7(-2.8,1.2) J8(-2,1.2) J9(-1.2,1.2) J10(-0.4,1.2) J11(0.4,1.2) J12(1.2,1.2) J13(2,1.2) J14(2.8,1.2) J15(3.6,1.2) J16(4.4,1.2) J17(5.2,1.2) J18(6,1.2) J19(6.8,1.2) J20(7.6,1.2) K1(-7.6,0.4) K2(-6.8,0.4) K3(-6,0.4) K4(-5.2,0.4) K5(-4.4,0.4) K6(-3.6,0.4) K7(-2.8,0.4) K8(-2,0.4) K9(-1.2,0.4) K10(-0.4,0.4) K11(0.4,0.4) K12(1.2,0.4) K13(2,0.4) K14(2.8,0.4) K15(3.6,0.4) K16(4.4,0.4) K17(5.2,0.4) K18(6,0.4) K19(6.8,0.4) K20(7.6,0.4) L1(-7.6,-0.4) L2(-6.8,-0.4) L3(-6,-0.4) L4(-5.2,-0.4) L5(-4.4,-0.4) L6(-3.6,-0.4) L7(-2.8,-0.4) L8(-2,-0.4) L9(-1.2,-0.4) L10(-0.4,-0.4) L11(0.4,-0.4) L12(1.2,-0.4) L13(2,-0.4) L14(2.8,-0.4) L15(3.6,-0.4) L16(4.4,-0.4) L17(5.2,-0.4) L18(6,-0.4) L19(6.8,-0.4) L20(7.6,-0.4) M1(-7.6,-1.2) M2(-6.8,-1.2) M3(-6,-1.2) M4(-5.2,-1.2) M5(-4.4,-1.2) M6(-3.6,-1.2) M7(-2.8,-1.2) M8(-2,-1.2) M9(-1.2,-1.2) M10(-0.4,-1.2) M11(0.4,-1.2) M12(1.2,-1.2) M13(2,-1.2) M14(2.8,-1.2) M15(3.6,-1.2) M16(4.4,-1.2) M17(5.2,-1.2) M18(6,-1.2) M19(6.8,-1.2) M20(7.6,-1.2) N1(-7.6,-2) N2(-6.8,-2) N3(-6,-2) N4(-5.2,-2) N5(-4.4,-2) N6(-3.6,-2) N7(-2.8,-2) N8(-2,-2) N9(-1.2,-2) N10(-0.4,-2) N11(0.4,-2) N12(1.2,-2) N13(2,-2) N14(2.8,-2) N15(3.6,-2) N16(4.4,-2) N17(5.2,-2) N18(6,-2) N19(6.8,-2) N20(7.6,-2) P1(-7.6,-2.8) P2(-6.8,-2.8) P3(-6,-2.8) P4(-5.2,-2.8) P5(-4.4,-2.8) P6(-3.6,-2.8) P7(-2.8,-2.8) P8(-2,-2.8) P9(-1.2,-2.8) P10(-0.4,-2.8) P11(0.4,-2.8) P12(1.2,-2.8) P13(2,-2.8) P14(2.8,-2.8) P15(3.6,-2.8) P16(4.4,-2.8) P17(5.2,-2.8) P18(6,-2.8) P19(6.8,-2.8) P20(7.6,-2.8) R1(-7.6,-3.6) R2(-6.8,-3.6) R3(-6,-3.6) R4(-5.2,-3.6) R5(-4.4,-3.6) R6(-3.6,-3.6) R7(-2.8,-3.6) R8(-2,-3.6) R9(-1.2,-3.6) R10(-0.4,-3.6) R11(0.4,-3.6) R12(1.2,-3.6) R13(2,-3.6) R14(2.8,-3.6) R15(3.6,-3.6) R16(4.4,-3.6) R17(5.2,-3.6) R18(6,-3.6) R19(6.8,-3.6) R20(7.6,-3.6) T1(-7.6,-4.4) T2(-6.8,-4.4) T3(-6,-4.4) T4(-5.2,-4.4) T5(-4.4,-4.4) T6(-3.6,-4.4) T7(-2.8,-4.4) T8(-2,-4.4) T9(-1.2,-4.4) T10(-0.4,-4.4) T11(0.4,-4.4) T12(1.2,-4.4) T13(2,-4.4) T14(2.8,-4.4) T15(3.6,-4.4) T16(4.4,-4.4) T17(5.2,-4.4) T18(6,-4.4) T19(6.8,-4.4) T20(7.6,-4.4) U1(-7.6,-5.2) U2(-6.8,-5.2) U3(-6,-5.2) U4(-5.2,-5.2) U5(-4.4,-5.2) U6(-3.6,-5.2) U7(-2.8,-5.2) U8(-2,-5.2) U9(-1.2,-5.2) U10(-0.4,-5.2) U11(0.4,-5.2) U12(1.2,-5.2) U13(2,-5.2) U14(2.8,-5.2) U15(3.6,-5.2) U16(4.4,-5.2) U17(5.2,-5.2) U18(6,-5.2) U19(6.8,-5.2) U20(7.6,-5.2) V1(-7.6,-6) V2(-6.8,-6) V3(-6,-6) V4(-5.2,-6) V5(-4.4,-6) V6(-3.6,-6) V7(-2.8,-6) V8(-2,-6) V9(-1.2,-6) V10(-0.4,-6) V11(0.4,-6) V12(1.2,-6) V13(2,-6) V14(2.8,-6) V15(3.6,-6) V16(4.4,-6) V17(5.2,-6) V18(6,-6) V19(6.8,-6) V20(7.6,-6) W1(-7.6,-6.8) W2(-6.8,-6.8) W3(-6,-6.8) W4(-5.2,-6.8) W5(-4.4,-6.8) W6(-3.6,-6.8) W7(-2.8,-6.8) W8(-2,-6.8) W9(-1.2,-6.8) W10(-0.4,-6.8) W11(0.4,-6.8) W12(1.2,-6.8) W13(2,-6.8) W14(2.8,-6.8) W15(3.6,-6.8) W16(4.4,-6.8) W17(5.2,-6.8) W18(6,-6.8) W19(6.8,-6.8) W20(7.6,-6.8) Y1(-7.6,-7.6) Y2(-6.8,-7.6) Y3(-6,-7.6) Y4(-5.2,-7.6) Y5(-4.4,-7.6) Y6(-3.6,-7.6) Y7(-2.8,-7.6) Y8(-2,-7.6) Y9(-1.2,-7.6) Y10(-0.4,-7.6) Y11(0.4,-7.6) Y12(1.2,-7.6) Y13(2,-7.6) Y14(2.8,-7.6) Y15(3.6,-7.6) Y16(4.4,-7.6) Y17(5.2,-7.6) Y18(6,-7.6) Y19(6.8,-7.6) Y20(7.6,-7.6)

## Nets
+0V675: C34.2 C37.2 C120.1 C121.1 C122.1 C123.1 C124.1 C125.1 C126.1 C127.1 C128.1 C129.1 C130.1 C131.1 R98.1 R99.1 R100.1 R101.1 R102.1 R103.1 R104.1 R105.1 R106.1 R107.1 R108.1 R109.1 R110.1 R111.1 R112.1 R113.1 R114.1 R115.1 R116.1 R117.1 R118.1 R119.1 R120.1 U6.3 U6.8
+0V675_REF: C33.2 C132.1 C133.1 C154.2 C155.1 C176.2 C177.1 U6.4 U7.H6 U7.P6 U14.H1 U14.M8 U15.H1 U15.M8
+1V1: C15.2 C18.2 C40.2 C44.2 C45.2 C49.2 C50.2 C54.2 C55.2 C58.2 C59.2 C71.2 C77.2 C82.2 C183.1 C185.1 L1.2 R9.1 U7.G7 U7.G11 U7.G13 U7.H10 U7.H12 U7.J7 U7.J13 U7.K12 U7.L7 U7.L13 U7.M12 U7.N7 U7.N13 U7.P8 U7.P12 U7.R7 U7.R13 U17.8 U17.29 U17.42 U17.58
+1V8: C35.2 C38.2 C42.2 C47.2 C52.2 C67.2 C68.2 C74.2 C75.2 C79.2 C80.2 C86.2 C88.2 C184.1 C186.1 C190.1 C195.1 C196.1 C200.1 J7.70 J7.72 J7.74 J7.76 J7.78 L3.2 L5.1 R24.1 R75.2 R83.2 U7.A13 U7.B16 U7.D12 U7.E15 U7.F8 U7.F11 U7.G9 U7.H8 U7.J9 U7.J11 U7.K8 U7.L11 U7.M8 U7.N9 U7.N11 U7.P10 U7.R9 U17.17 U17.64 U19.14 U19.28 U19.30 U19.32 X2.1 X2.4 X3.1 X3.4
+1V8_FTDI: C99.1 C100.1 C101.1 C102.1 U9.12 U9.37 U9.49 U9.64
+1V8_PLL: C73.2 L5.2 U7.G8
+1V35: C16.2 C19.2 C69.2 C72.2 C78.2 C83.2 C85.2 C87.2 C134.1 C135.1 C136.1 C137.1 C138.1 C139.1 C140.1 C141.1 C142.1 C143.1 C144.1 C145.1 C146.1 C147.1 C148.1 C149.1 C150.1 C151.1 C152.1 C153.1 C154.1 C156.1 C157.1 C158.1 C159.1 C160.1 C161.1 C162.1 C163.1 C164.1 C165.1 C166.1 C167.1 C168.1 C169.1 C170.1 C171.1 C172.1 C173.1 C174.1 C175.1 C176.1 L2.2 R11.1 R21.1 R121.1 U7.A3 U7.D2 U7.E5 U7.G1 U7.H4 U7.L3 U7.P2 U7.R5 U7.U1 U7.V4 U14.A1 U14.A8 U14.B2 U14.C1 U14.C9 U14.D2 U14.D9 U14.E9 U14.F1 U14.G7 U14.H2 U14.H9 U14.K2 U14.K8 U14.N1 U14.N9 U14.R1 U14.R9 U15.A1 U15.A8 U15.B2 U15.C1 U15.C9 U15.D2 U15.D9 U15.E9 U15.F1 U15.G7 U15.H2 U15.H9 U15.K2 U15.K8 U15.N1 U15.N9 U15.R1 U15.R9
+2V5: C179.1 C180.1 U16.3 U17.4 U17.12
